# Altium PCB PA_8CH_CTRL.PcbDoc (part 1 of 10) (continued)
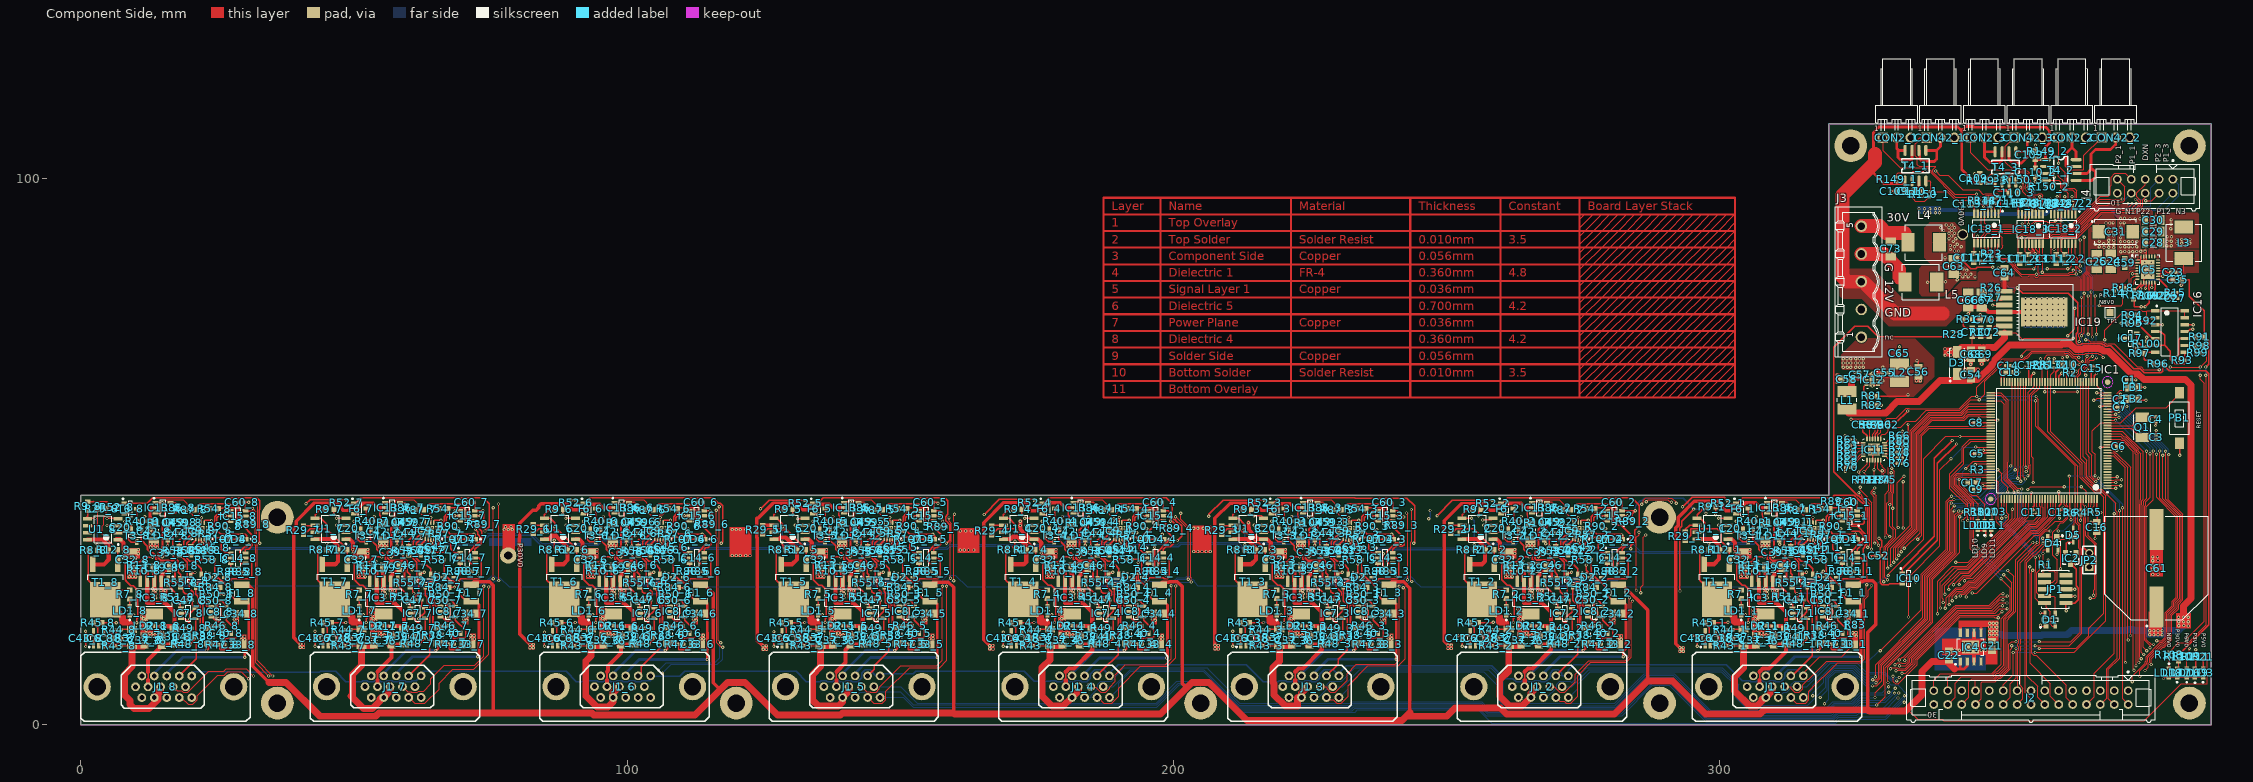
[diagram p0: Component Side view]
## Components (designator, comment, footprint, x,y, rotation, side; value= is the part's Value field where it differs from the comment) (continued)
C37_3 "1uF" CAPC2012X110N 221.684,15.494 r270 top (schematic designator C37)
C37_4 "1uF" CAPC2012X110N 179.684,15.494 r270 top (schematic designator C37)
C37_5 "1uF" CAPC2012X110N 137.684,15.494 r270 top (schematic designator C37)
C37_6 "1uF" CAPC2012X110N 95.684,15.494 r270 top (schematic designator C37)
C37_7 "1uF" CAPC2012X110N 53.684,15.494 r270 top (schematic designator C37)
C37_8 "1uF" CAPC2012X110N 11.684,15.465 r270 top (schematic designator C37)
C38_1 "10nF" CAPC1608X87N 301.604,15.875 r180 top (schematic designator C38)
C38_2 "10nF" CAPC1608X87N 258.604,15.875 r180 top (schematic designator C38)
C38_3 "10nF" CAPC1608X87N 216.604,15.875 r180 top (schematic designator C38)
C38_4 "10nF" CAPC1608X87N 174.604,15.875 r180 top (schematic designator C38)
C38_5 "10nF" CAPC1608X87N 132.604,15.875 r180 top (schematic designator C38)
C38_6 "10nF" CAPC1608X87N 90.604,15.875 r180 top (schematic designator C38)
C38_7 "10nF" CAPC1608X87N 48.604,15.875 r180 top (schematic designator C38)
C38_8 "10nF" CAPC1608X87N 6.604,15.846 r180 top (schematic designator C38)
C39_1 "100nF" CAPC1005X55N 310.723,31.576 r180 top (schematic designator C39)
C39_2 "100nF" CAPC1005X55N 267.723,31.576 r180 top (schematic designator C39)
C39_3 "100nF" CAPC1005X55N 225.723,31.576 r180 top (schematic designator C39)
C39_4 "100nF" CAPC1005X55N 183.723,31.576 r180 top (schematic designator C39)
C39_5 "100nF" CAPC1005X55N 141.723,31.576 r180 top (schematic designator C39)
C39_6 "100nF" CAPC1005X55N 99.723,31.576 r180 top (schematic designator C39)
C39_7 "100nF" CAPC1005X55N 57.723,31.576 r180 top (schematic designator C39)
C39_8 "100nF" CAPC1005X55N 15.723,31.547 r180 top (schematic designator C39)
C40_1 "10nF" CAPC1608X87N 321.568,16.793 r180 top (schematic designator C40)
C40_2 "10nF" CAPC1608X87N 278.568,16.793 r180 top (schematic designator C40)
C40_3 "10nF" CAPC1608X87N 236.568,16.793 r180 top (schematic designator C40)
C40_4 "10nF" CAPC1608X87N 194.568,16.793 r180 top (schematic designator C40)
C40_5 "10nF" CAPC1608X87N 152.568,16.793 r180 top (schematic designator C40)
C40_6 "10nF" CAPC1608X87N 110.568,16.793 r180 top (schematic designator C40)
C40_7 "10nF" CAPC1608X87N 68.568,16.793 r180 top (schematic designator C40)
C40_8 "10nF" CAPC1608X87N 26.568,16.764 r180 top (schematic designator C40)
C41_1 "10nF" CAPC1608X87N 314.935,16.131 r180 top (schematic designator C41)
C41_2 "10nF" CAPC1608X87N 271.935,16.131 r180 top (schematic designator C41)
C41_3 "10nF" CAPC1608X87N 229.935,16.131 r180 top (schematic designator C41)
C41_4 "10nF" CAPC1608X87N 187.935,16.131 r180 top (schematic designator C41)
C41_5 "10nF" CAPC1608X87N 145.935,16.131 r180 top (schematic designator C41)
C41_6 "10nF" CAPC1608X87N 103.935,16.131 r180 top (schematic designator C41)
C41_7 "10nF" CAPC1608X87N 61.935,16.131 r180 top (schematic designator C41)
C41_8 "10nF" CAPC1608X87N 19.935,16.102 r180 top (schematic designator C41)
C42_1 "10uF" CAPC3216X140N 308.41,35.381 r90 top (schematic designator C42)
C42_2 "10uF" CAPC3216X140N 265.41,35.381 r90 top (schematic designator C42)
C42_3 "10uF" CAPC3216X140N 223.41,35.381 r90 top (schematic designator C42)
C42_4 "10uF" CAPC3216X140N 181.41,35.381 r90 top (schematic designator C42)
C42_5 "10uF" CAPC3216X140N 139.41,35.381 r90 top (schematic designator C42)
C42_6 "10uF" CAPC3216X140N 97.41,35.381 r90 top (schematic designator C42)
C42_7 "10uF" CAPC3216X140N 55.41,35.381 r90 top (schematic designator C42)
C42_8 "10uF" CAPC3216X140N 13.41,35.352 r90 top (schematic designator C42)
C43_1 "100nF" CAPC1005X55N 295.889,15.875 r90 top (schematic designator C43)
C43_2 "100nF" CAPC1005X55N 252.889,15.875 r90 top (schematic designator C43)
C43_3 "100nF" CAPC1005X55N 210.889,15.875 r90 top (schematic designator C43)
C43_4 "100nF" CAPC1005X55N 168.889,15.875 r90 top (schematic designator C43)
C43_5 "100nF" CAPC1005X55N 126.889,15.875 r90 top (schematic designator C43)
C43_6 "100nF" CAPC1005X55N 84.889,15.875 r90 top (schematic designator C43)
C43_7 "100nF" CAPC1005X55N 42.889,15.875 r90 top (schematic designator C43)
C43_8 "100nF" CAPC1005X55N 0.889,15.846 r90 top (schematic designator C43)
C44_1 "100nF" CAPC1005X55N 313.44,35.081 r180 top (schematic designator C44)
C44_2 "100nF" CAPC1005X55N 270.44,35.081 r180 top (schematic designator C44)
C44_3 "100nF" CAPC1005X55N 228.44,35.081 r180 top (schematic designator C44)
C44_4 "100nF" CAPC1005X55N 186.44,35.081 r180 top (schematic designator C44)
C44_5 "100nF" CAPC1005X55N 144.44,35.081 r180 top (schematic designator C44)
C44_6 "100nF" CAPC1005X55N 102.44,35.081 r180 top (schematic designator C44)
C44_7 "100nF" CAPC1005X55N 60.44,35.081 r180 top (schematic designator C44)
C44_8 "100nF" CAPC1005X55N 18.44,35.052 r180 top (schematic designator C44)
C45_1 "100nF" CAPC1005X55N 319.13,32.49 r180 top (schematic designator C45)
C45_2 "100nF" CAPC1005X55N 276.13,32.49 r180 top (schematic designator C45)
C45_3 "100nF" CAPC1005X55N 234.13,32.49 r180 top (schematic designator C45)
C45_4 "100nF" CAPC1005X55N 192.13,32.49 r180 top (schematic designator C45)
C45_5 "100nF" CAPC1005X55N 150.13,32.49 r180 top (schematic designator C45)
C45_6 "100nF" CAPC1005X55N 108.13,32.49 r180 top (schematic designator C45)
C45_7 "100nF" CAPC1005X55N 66.13,32.49 r180 top (schematic designator C45)
C45_8 "100nF" CAPC1005X55N 24.13,32.461 r180 top (schematic designator C45)
C46_1 "100nF" CAPC1005X55N 313.436,29.21 r0 top (schematic designator C46)
C46_2 "100nF" CAPC1005X55N 270.383,29.185 r0 top (schematic designator C46)
C46_3 "100nF" CAPC1005X55N 228.448,29.185 r0 top (schematic designator C46)
C46_4 "100nF" CAPC1005X55N 186.461,29.185 r0 top (schematic designator C46)
C46_5 "100nF" CAPC1005X55N 144.45,29.21 r0 top (schematic designator C46)
C46_6 "100nF" CAPC1005X55N 102.438,29.21 r0 top (schematic designator C46)
C46_7 "100nF" CAPC1005X55N 60.427,29.185 r0 top (schematic designator C46)
C46_8 "100nF" CAPC1005X55N 18.39,29.159 r0 top (schematic designator C46)
C47_1 "100nF" CAPC1005X55N 314.939,22.86 r0 top (schematic designator C47)
C47_2 "100nF" CAPC1005X55N 271.939,22.86 r0 top (schematic designator C47)
C47_3 "100nF" CAPC1005X55N 229.939,22.86 r0 top (schematic designator C47)
C47_4 "100nF" CAPC1005X55N 187.939,22.86 r0 top (schematic designator C47)
C47_5 "100nF" CAPC1005X55N 145.939,22.86 r0 top (schematic designator C47)
C47_6 "100nF" CAPC1005X55N 103.939,22.86 r0 top (schematic designator C47)
C47_7 "100nF" CAPC1005X55N 61.939,22.86 r0 top (schematic designator C47)
C47_8 "100nF" CAPC1005X55N 19.939,22.831 r0 top (schematic designator C47)
C48_1 "Undefined" CAPC1005X55N 316.488,32.008 r90 top (schematic designator C48)
C48_2 "Undefined" CAPC1005X55N 273.488,32.008 r90 top (schematic designator C48)
C48_3 "Undefined" CAPC1005X55N 231.488,32.008 r90 top (schematic designator C48)
C48_4 "Undefined" CAPC1005X55N 189.488,32.008 r90 top (schematic designator C48)
C48_5 "Undefined" CAPC1005X55N 147.488,32.008 r90 top (schematic designator C48)
C48_6 "Undefined" CAPC1005X55N 105.488,32.008 r90 top (schematic designator C48)
C48_7 "Undefined" CAPC1005X55N 63.488,32.008 r90 top (schematic designator C48)
C48_8 "Undefined" CAPC1005X55N 21.488,31.979 r90 top (schematic designator C48)
C49_1 "100nF" CAPC1005X55N 313.11,37.138 r90 top (schematic designator C49)
C49_2 "100nF" CAPC1005X55N 270.11,37.138 r90 top (schematic designator C49)
C49_3 "100nF" CAPC1005X55N 228.11,37.138 r90 top (schematic designator C49)
C49_4 "100nF" CAPC1005X55N 186.11,37.138 r90 top (schematic designator C49)
C49_5 "100nF" CAPC1005X55N 144.11,37.138 r90 top (schematic designator C49)
C49_6 "100nF" CAPC1005X55N 102.11,37.138 r90 top (schematic designator C49)
C49_7 "100nF" CAPC1005X55N 60.11,37.138 r90 top (schematic designator C49)
C49_8 "100nF" CAPC1005X55N 18.11,37.109 r90 top (schematic designator C49)
C50_1 "100nF" CAPC1005X55N 319.659,22.809 r180 top (schematic designator C50)
C50_2 "100nF" CAPC1005X55N 276.708,22.936 r180 top (schematic designator C50)
C50_3 "100nF" CAPC1005X55N 234.671,22.835 r180 top (schematic designator C50)
C50_4 "100nF" CAPC1005X55N 192.659,22.835 r180 top (schematic designator C50)
C50_5 "100nF" CAPC1005X55N 150.647,22.86 r180 top (schematic designator C50)
C50_6 "100nF" CAPC1005X55N 108.661,22.809 r180 top (schematic designator C50)
C50_7 "100nF" CAPC1005X55N 66.65,22.835 r180 top (schematic designator C50)
C50_8 "100nF" CAPC1005X55N 24.663,22.758 r180 top (schematic designator C50)
C51_1 "100nF" CAPC1005X55N 317.53,32.033 r270 top (schematic designator C51)
C51_2 "100nF" CAPC1005X55N 274.53,32.033 r270 top (schematic designator C51)
C51_3 "100nF" CAPC1005X55N 232.53,32.033 r270 top (schematic designator C51)
C51_4 "100nF" CAPC1005X55N 190.53,32.033 r270 top (schematic designator C51)
C51_5 "100nF" CAPC1005X55N 148.53,32.033 r270 top (schematic designator C51)
C51_6 "100nF" CAPC1005X55N 106.53,32.033 r270 top (schematic designator C51)
C51_7 "100nF" CAPC1005X55N 64.53,32.033 r270 top (schematic designator C51)
C51_8 "100nF" CAPC1005X55N 22.53,32.004 r270 top (schematic designator C51)
C52 "100nF" CAPC1005X55N 329.108,30.937 r180 top
C53 "100nF" CAPC1005X55N 326.241,54.903 r90 top
C54 "22uF" CAPC2012X135N 346.025,64.1 r90 top
C55 "100nF" CAPC1005X55N 330.225,64.465 r180 top
C56 "22uF" CAPC2012X135N 336.398,64.668 r90 top
C57 "100nF" CAPC1005X55N 325.628,64.059 r270 top
C58 "22uF" CAPC2012X135N 323.266,63.246 r0 top
C59 "100nF" CAPC1608X87N 374.125,84.575 r90 top
C60_1 "100nF" CAPC1005X55N 324.498,40.759 r0 top (schematic designator C60)
C60_2 "100nF" CAPC1005X55N 281.498,40.759 r0 top (schematic designator C60)
C60_3 "100nF" CAPC1005X55N 239.498,40.759 r0 top (schematic designator C60)
C60_4 "100nF" CAPC1005X55N 197.498,40.759 r0 top (schematic designator C60)
C60_5 "100nF" CAPC1005X55N 155.498,40.759 r0 top (schematic designator C60)
C60_6 "100nF" CAPC1005X55N 113.498,40.759 r0 top (schematic designator C60)
C60_7 "100nF" CAPC1005X55N 71.498,40.759 r0 top (schematic designator C60)
C60_8 "100nF" CAPC1005X55N 29.498,40.73 r0 top (schematic designator C60)
C61 "4700uF" CAPAE1900X1680N 379.975,28.7 r90 top
C62 "1nF" CAPC1005X55N 379.777,78.578 r90 top
C63 "10uF" CAPC3216X190N 342.875,83.925 r90 top
C64 "22uF" CAPC2012X135N 352.15,82.75 r270 top
C65 "100nF" CAPC1005X55N 332.918,67.996 r90 top
C66 "10uF" CAPC3216X190N 345.5,77.75 r90 top
C67 "10uF" CAPC3216X190N 348,77.75 r90 top
C68 "22uF" CAPC2012X135N 346.025,67.825 r90 top
C69 "22uF" CAPC2012X135N 348,67.85 r90 top
C70 "10nF" CAPC1608X87N 348.525,74.195 r0 top
C71 "10nF" CAPC1608X87N 346.275,71.87 r270 top
C72 "10nF" CAPC1608X87N 349.325,71.895 r270 top
C73 "10uF" CAPC3216X190N 331.325,87.125 r90 top
C109_1 "1uF" CAPC1608X87N 333.075,97.7 r0 top (schematic designator C109)
C109_2 "1uF" CAPC1608X87N 357.8,104.35 r270 top (schematic designator C109)
C109_3 "1uF" CAPC1608X87N 347.65,100.1 r270 top (schematic designator C109)
C110_1 "1uF" CAPC1608X87N 336.275,97.725 r180 top (schematic designator C110)
C110_2 "1uF" CAPC1608X87N 357.825,101.15 r90 top (schematic designator C110)
C110_3 "1uF" CAPC1608X87N 353.825,97.375 r180 top (schematic designator C110)
C111_1 "1nF" CAPC1608X87N 346.5,85.475 r90 top (schematic designator C111)
C111_2 "1nF" CAPC1608X87N 361.625,85.3 r270 top (schematic designator C111)
C111_3 "1nF" CAPC1608X87N 354.975,85.3 r90 top (schematic designator C111)
C112_1 "1nF" CAPC1608X87N 348,85.475 r270 top (schematic designator C112)
C112_2 "1nF" CAPC1608X87N 363.15,85.3 r90 top (schematic designator C112)
C112_3 "1nF" CAPC1608X87N 356.5,85.3 r270 top (schematic designator C112)
C113_1 "100nF" CAPC0603X33N 346.4,95.375 r270 top (schematic designator C113)
C113_2 "100nF" CAPC0603X33N 360.575,95.3 r270 top (schematic designator C113)
C113_3 "100nF" CAPC0603X33N 354.525,95.35 r270 top (schematic designator C113)
CON2_1 "WF03R (any color) Maritex" MOLEX_22-05-7038 332.425,107.495 r0 top (schematic designator CON2)
CON2_2 "WF03R (any color) Maritex" MOLEX_22-05-7038 364.525,107.52 r0 top (schematic designator CON2)
CON2_3 "WF03R (any color) Maritex" MOLEX_22-05-7038 348.5,107.52 r0 top (schematic designator CON2)
CON42_1 "WF03R (any color) Maritex" MOLEX_22-05-7038 340.425,107.495 r0 top (schematic designator CON42)
CON42_2 "WF03R (any color) Maritex" MOLEX_22-05-7038 372.525,107.52 r0 top (schematic designator CON42)
CON42_3 "WF03R (any color) Maritex" MOLEX_22-05-7038 356.5,107.52 r0 top (schematic designator CON42)
D1 "PRTR5V0U2X" SOT190P230X110-4N 360.5,19.25 r90 top
D2_1 "BAT165" SOD2512X110N 320.048,27.009 r0 top (schematic designator D2)
D2_2 "BAT165" SOD2512X110N 277.048,27.009 r0 top (schematic designator D2)
D2_3 "BAT165" SOD2512X110N 235.048,27.009 r0 top (schematic designator D2)
D2_4 "BAT165" SOD2512X110N 193.048,27.009 r0 top (schematic designator D2)
D2_5 "BAT165" SOD2512X110N 151.048,27.009 r0 top (schematic designator D2)
D2_6 "BAT165" SOD2512X110N 109.048,27.009 r0 top (schematic designator D2)
D2_7 "BAT165" SOD2512X110N 67.048,27.009 r0 top (schematic designator D2)
D2_8 "BAT165" SOD2512X110N 25.048,26.98 r0 top (schematic designator D2)
D3 "SS16" DIOM5127X229N 343.5,66.25 r90 top
D4 "PRTR5V0U2X" SOT190P230X110-4N 361,33.25 r270 top
D5 "BAT165" SOD2512X110N 364.75,34.75 r90 top
F1_1 "50mA-30V" FUSRC3226X85N 324.464,24.159 r270 top (schematic designator F1)
F1_2 "50mA-30V" FUSRC3226X85N 281.464,24.159 r270 top (schematic designator F1)
F1_3 "50mA-30V" FUSRC3226X85N 239.464,24.159 r270 top (schematic designator F1)
F1_4 "50mA-30V" FUSRC3226X85N 197.464,24.159 r270 top (schematic designator F1)
F1_5 "50mA-30V" FUSRC3226X85N 155.464,24.159 r270 top (schematic designator F1)
F1_6 "50mA-30V" FUSRC3226X85N 113.464,24.159 r270 top (schematic designator F1)
F1_7 "50mA-30V" FUSRC3226X85N 71.464,24.159 r270 top (schematic designator F1)
F1_8 "50mA-30V" FUSRC3226X85N 29.464,24.13 r270 top (schematic designator F1)
FB1 "220R@100MHz" INDC2012X105N 375.717,61.773 r0 top
FB2 "220R@100MHz" INDC2012X105N 375.742,59.69 r0 top
IC1 "STM32F407ZGT6" QFP50P2200X2200X160-144N 360.324,52.045 r180 top
IC2 "STM809SWX6F" SOT-23 365.227,31.547 r180 top
IC3_1 "TL1963ADCQR" SOT127P700X180-6N 308.46,23.306 r270 top (schematic designator IC3)
IC3_2 "TL1963ADCQR" SOT127P700X180-6N 265.46,23.306 r270 top (schematic designator IC3)
IC3_3 "TL1963ADCQR" SOT127P700X180-6N 223.46,23.306 r270 top (schematic designator IC3)
IC3_4 "TL1963ADCQR" SOT127P700X180-6N 181.46,23.306 r270 top (schematic designator IC3)
IC3_5 "TL1963ADCQR" SOT127P700X180-6N 139.46,23.306 r270 top (schematic designator IC3)
IC3_6 "TL1963ADCQR" SOT127P700X180-6N 97.46,23.306 r270 top (schematic designator IC3)
IC3_7 "TL1963ADCQR" SOT127P700X180-6N 55.46,23.306 r270 top (schematic designator IC3)
IC3_8 "TL1963ADCQR" SOT127P700X180-6N 13.46,23.277 r270 top (schematic designator IC3)
IC4 "ADP7102ARDZ-5.0-R7" SOIC127P600X175-9N-R241X309 345.948,14.249 r90 top
IC5 "LTC7149EUFD#PBF" QFN50P400X500X80_HS-29N 378.38,83.353 r0 top
IC6_1 "INA194AIDBVT" SOT95P280X145-5N 298.302,15.875 r90 top (schematic designator IC6)
IC6_2 "INA194AIDBVT" SOT95P280X145-5N 255.302,15.875 r90 top (schematic designator IC6)
IC6_3 "INA194AIDBVT" SOT95P280X145-5N 213.302,15.875 r90 top (schematic designator IC6)
IC6_4 "INA194AIDBVT" SOT95P280X145-5N 171.302,15.875 r90 top (schematic designator IC6)
IC6_5 "INA194AIDBVT" SOT95P280X145-5N 129.302,15.875 r90 top (schematic designator IC6)
IC6_6 "INA194AIDBVT" SOT95P280X145-5N 87.302,15.875 r90 top (schematic designator IC6)
IC6_7 "INA194AIDBVT" SOT95P280X145-5N 45.302,15.875 r90 top (schematic designator IC6)
IC6_8 "INA194AIDBVT" SOT95P280X145-5N 3.302,15.846 r90 top (schematic designator IC6)
IC7_1 "INA194AIDBVT" SOT95P280X145-5N 314.685,20.447 r0 top (schematic designator IC7)
IC7_2 "INA194AIDBVT" SOT95P280X145-5N 271.685,20.447 r0 top (schematic designator IC7)
IC7_3 "INA194AIDBVT" SOT95P280X145-5N 229.685,20.447 r0 top (schematic designator IC7)
IC7_4 "INA194AIDBVT" SOT95P280X145-5N 187.685,20.447 r0 top (schematic designator IC7)
IC7_5 "INA194AIDBVT" SOT95P280X145-5N 145.685,20.447 r0 top (schematic designator IC7)
IC7_6 "INA194AIDBVT" SOT95P280X145-5N 103.685,20.447 r0 top (schematic designator IC7)
IC7_7 "INA194AIDBVT" SOT95P280X145-5N 61.685,20.447 r0 top (schematic designator IC7)
IC7_8 "INA194AIDBVT" SOT95P280X145-5N 19.685,20.418 r0 top (schematic designator IC7)
IC8_1 "INA194AIDBVT" SOT95P280X145-5N 320.197,20.755 r0 top (schematic designator IC8)
IC8_2 "INA194AIDBVT" SOT95P280X145-5N 277.197,20.755 r0 top (schematic designator IC8)
IC8_3 "INA194AIDBVT" SOT95P280X145-5N 235.197,20.755 r0 top (schematic designator IC8)
IC8_4 "INA194AIDBVT" SOT95P280X145-5N 193.197,20.755 r0 top (schematic designator IC8)
IC8_5 "INA194AIDBVT" SOT95P280X145-5N 151.197,20.755 r0 top (schematic designator IC8)
IC8_6 "INA194AIDBVT" SOT95P280X145-5N 109.197,20.755 r0 top (schematic designator IC8)
IC8_7 "INA194AIDBVT" SOT95P280X145-5N 67.197,20.755 r0 top (schematic designator IC8)
IC8_8 "INA194AIDBVT" SOT95P280X145-5N 25.197,20.726 r0 top (schematic designator IC8)
IC9_1 "ADS7924IRTET" TI-RTE16-1700X1700TP_V 316.844,35.56 r180 top (schematic designator IC9)
IC9_2 "ADS7924IRTET" TI-RTE16-1700X1700TP_V 273.844,35.56 r180 top (schematic designator IC9)
IC9_3 "ADS7924IRTET" TI-RTE16-1700X1700TP_V 231.844,35.56 r180 top (schematic designator IC9)
IC9_4 "ADS7924IRTET" TI-RTE16-1700X1700TP_V 189.844,35.56 r180 top (schematic designator IC9)
IC9_5 "ADS7924IRTET" TI-RTE16-1700X1700TP_V 147.844,35.56 r180 top (schematic designator IC9)
IC9_6 "ADS7924IRTET" TI-RTE16-1700X1700TP_V 105.844,35.56 r180 top (schematic designator IC9)
IC9_7 "ADS7924IRTET" TI-RTE16-1700X1700TP_V 63.844,35.56 r180 top (schematic designator IC9)
IC9_8 "ADS7924IRTET" TI-RTE16-1700X1700TP_V 21.844,35.531 r180 top (schematic designator IC9)
IC10 "MCP1525T-I/TT" SOT95P251X112-3N 334.62,26.822 r0 top
IC11 "TCA9548ARGER" QFN50P400X400X100-25N-S220 328.241,50.403 r0 top
IC12 "TPS62175DQC" SON50P200X300X80-11N-R94X250 327.944,63.205 r0 top
IC13_1 "LT1964ES5-SD#TRMPBF" SOT95P280X100-5N 310.048,39.759 r0 top (schematic designator IC13)
IC13_2 "LT1964ES5-SD#TRMPBF" SOT95P280X100-5N 267.048,39.759 r0 top (schematic designator IC13)
IC13_3 "LT1964ES5-SD#TRMPBF" SOT95P280X100-5N 225.048,39.759 r0 top (schematic designator IC13)
IC13_4 "LT1964ES5-SD#TRMPBF" SOT95P280X100-5N 183.048,39.759 r0 top (schematic designator IC13)
IC13_5 "LT1964ES5-SD#TRMPBF" SOT95P280X100-5N 141.048,39.759 r0 top (schematic designator IC13)
IC13_6 "LT1964ES5-SD#TRMPBF" SOT95P280X100-5N 99.048,39.759 r0 top (schematic designator IC13)
IC13_7 "LT1964ES5-SD#TRMPBF" SOT95P280X100-5N 57.048,39.759 r0 top (schematic designator IC13)
IC13_8 "LT1964ES5-SD#TRMPBF" SOT95P280X100-5N 15.048,39.73 r0 top (schematic designator IC13)
IC14_1 "LM3880-1AC/NOPB" SOT95P280X145-6N 323.804,30.56 r0 top (schematic designator IC14)
IC14_2 "LM3880-1AC/NOPB" SOT95P280X145-6N 280.804,30.56 r0 top (schematic designator IC14)
IC14_3 "LM3880-1AC/NOPB" SOT95P280X145-6N 238.804,30.56 r0 top (schematic designator IC14)
IC14_4 "LM3880-1AC/NOPB" SOT95P280X145-6N 196.804,30.56 r0 top (schematic designator IC14)
IC14_5 "LM3880-1AC/NOPB" SOT95P280X145-6N 154.804,30.56 r0 top (schematic designator IC14)
IC14_6 "LM3880-1AC/NOPB" SOT95P280X145-6N 112.804,30.56 r0 top (schematic designator IC14)
IC14_7 "LM3880-1AC/NOPB" SOT95P280X145-6N 70.804,30.56 r0 top (schematic designator IC14)
IC14_8 "LM3880-1AC/NOPB" SOT95P280X145-6N 28.804,30.531 r0 top (schematic designator IC14)
IC15_1 "DAC7571DBV" SOT95P280X145-6N 323.798,38.259 r180 top (schematic designator IC15)
IC15_2 "DAC7571DBV" SOT95P280X145-6N 280.798,38.259 r180 top (schematic designator IC15)
IC15_3 "DAC7571DBV" SOT95P280X145-6N 238.798,38.259 r180 top (schematic designator IC15)
IC15_4 "DAC7571DBV" SOT95P280X145-6N 196.798,38.259 r180 top (schematic designator IC15)
IC15_5 "DAC7571DBV" SOT95P280X145-6N 154.798,38.259 r180 top (schematic designator IC15)
IC15_6 "DAC7571DBV" SOT95P280X145-6N 112.798,38.259 r180 top (schematic designator IC15)
IC15_7 "DAC7571DBV" SOT95P280X145-6N 70.798,38.259 r180 top (schematic designator IC15)
IC15_8 "DAC7571DBV" SOT95P280X145-6N 28.798,38.23 r180 top (schematic designator IC15)
IC16 "LP339M/NOPB" SOIC127P600X175-14N 382.424,72 r0 top
IC17 "TS3431ILT" SOT95P237X112-3N 375.2,70.75 r180 top
IC18_1 "MAX6639AEE+" SOP63P600X175-16N 348.825,90.85 r270 top (schematic designator IC18)
IC18_2 "MAX6639AEE+" SOP63P600X175-16N 362.9,90.8 r270 top (schematic designator IC18)
IC18_3 "MAX6639AEE+" SOP63P600X175-16N 356.925,90.75 r270 top (schematic designator IC18)
IC19 "LMZ14203HTZX/NOPB" "TEXAS_TO-PMOD (NDW)" 357.825,75.57 r0 top
J1_1 "HD-Sub" TYCO_1932144-1 310.5,7 r0 top locked (schematic designator J1)
J1_2 "HD-Sub" TYCO_1932144-1 267.5,7 r0 top (schematic designator J1)
J1_3 "HD-Sub" TYCO_1932144-1 225.5,7 r0 top (schematic designator J1)
J1_4 "HD-Sub" TYCO_1932144-1 183.5,7 r0 top (schematic designator J1)
J1_5 "HD-Sub" TYCO_1932144-1 141.5,7 r0 top (schematic designator J1)
J1_6 "HD-Sub" TYCO_1932144-1 99.5,7 r0 top (schematic designator J1)
J1_7 "HD-Sub" TYCO_1932144-1 57.5,7 r0 top (schematic designator J1)
J1_8 "HD-Sub" TYCO_1932144-1 15.5,6.971 r0 top (schematic designator J1)
J2 "Familly" 3M_N2530-6002RB 357,5 r180 top
J3 "Family" PHOENIX_1755765 325.958,81.128 r90 top
J4 "Header 10" 3M_N2510-6003RB 377.9,98.6 r180 top
JP1 "PLHTD10S-TR-CV" PLHTD10S-TR-CV 361.442,28.016 r90 top
JP2 "1798942 (goldpin 2x 2.54)" jump 367.665,28.905 r180 top
L1 "10uH" IND_MURATA-PS_8400 323.342,59.461 r90 top
L2 "10uH" IND_MURATA-PS_8400 332.944,64.455 r90 top
L3 "6.8uH" INDM6965X300N 385,88.25 r90 top
L4 "6.8uH" INDM6965X300N 337.375,88.325 r0 top
L5 "6.8uH" INDM6965X300N 336.85,81.075 r0 top
LD1_1 "Green" LED_KINGBRIGHT_KPH-1608CGCK 303.96,20.906 r90 top (schematic designator LD1)
LD1_2 "Green" LED_KINGBRIGHT_KPH-1608CGCK 260.96,20.906 r90 top (schematic designator LD1)
LD1_3 "Green" LED_KINGBRIGHT_KPH-1608CGCK 218.96,20.906 r90 top (schematic designator LD1)
LD1_4 "Green" LED_KINGBRIGHT_KPH-1608CGCK 176.96,20.906 r90 top (schematic designator LD1)
LD1_5 "Green" LED_KINGBRIGHT_KPH-1608CGCK 134.96,20.906 r90 top (schematic designator LD1)
LD1_6 "Green" LED_KINGBRIGHT_KPH-1608CGCK 92.96,20.906 r90 top (schematic designator LD1)
LD1_7 "Green" LED_KINGBRIGHT_KPH-1608CGCK 50.96,20.906 r90 top (schematic designator LD1)
LD1_8 "Green" LED_KINGBRIGHT_KPH-1608CGCK 8.96,20.877 r90 top (schematic designator LD1)
LD2_1 "Green" LED_KINGBRIGHT_KPH-1608CGCK 307.7,18.19 r0 top (schematic designator LD2)
LD2_2 "Green" LED_KINGBRIGHT_KPH-1608CGCK 264.7,18.19 r0 top (schematic designator LD2)
LD2_3 "Green" LED_KINGBRIGHT_KPH-1608CGCK 222.7,18.19 r0 top (schematic designator LD2)
LD2_4 "Green" LED_KINGBRIGHT_KPH-1608CGCK 180.7,18.19 r0 top (schematic designator LD2)
LD2_5 "Green" LED_KINGBRIGHT_KPH-1608CGCK 138.7,18.19 r0 top (schematic designator LD2)
LD2_6 "Green" LED_KINGBRIGHT_KPH-1608CGCK 96.7,18.19 r0 top (schematic designator LD2)
LD2_7 "Green" LED_KINGBRIGHT_KPH-1608CGCK 54.7,18.19 r0 top (schematic designator LD2)
LD2_8 "Green" LED_KINGBRIGHT_KPH-1608CGCK 12.7,18.161 r0 top (schematic designator LD2)
LD3 "Green" LED_KINGBRIGHT_KPH-1608CGCK 388.5,9.5 r90 top
LD4_1 "Hyper Red" LED_KINGBRIGHT_KPH-1608SURCK 324.5,34 r180 top (schematic designator LD4)
LD4_2 "Hyper Red" LED_KINGBRIGHT_KPH-1608SURCK 281.5,34 r180 top (schematic designator LD4)
LD4_3 "Hyper Red" LED_KINGBRIGHT_KPH-1608SURCK 239.5,34 r180 top (schematic designator LD4)
LD4_4 "Hyper Red" LED_KINGBRIGHT_KPH-1608SURCK 197.5,34 r180 top (schematic designator LD4)
LD4_5 "Hyper Red" LED_KINGBRIGHT_KPH-1608SURCK 155.5,34 r180 top (schematic designator LD4)
LD4_6 "Hyper Red" LED_KINGBRIGHT_KPH-1608SURCK 113.5,34 r180 top (schematic designator LD4)
LD4_7 "Hyper Red" LED_KINGBRIGHT_KPH-1608SURCK 71.5,34 r180 top (schematic designator LD4)
LD4_8 "Hyper Red" LED_KINGBRIGHT_KPH-1608SURCK 29.5,34 r180 top (schematic designator LD4)
LD9 "Green" LED_OSRAM_LGL29K 348.5,36.5 r90 top
LD10 "Green" LED_OSRAM_LGL29K 347.25,36.5 r90 top
LD11 "Green" LED_OSRAM_LGL29K 349.75,36.5 r90 top
LD12_1 "Green" LED_KINGBRIGHT_KPH-1608CGCK 310.9,34.624 r270 top (schematic designator LD12)
LD12_2 "Green" LED_KINGBRIGHT_KPH-1608CGCK 267.9,34.624 r270 top (schematic designator LD12)
LD12_3 "Green" LED_KINGBRIGHT_KPH-1608CGCK 225.9,34.624 r270 top (schematic designator LD12)
LD12_4 "Green" LED_KINGBRIGHT_KPH-1608CGCK 183.9,34.624 r270 top (schematic designator LD12)
LD12_5 "Green" LED_KINGBRIGHT_KPH-1608CGCK 141.9,34.624 r270 top (schematic designator LD12)
LD12_6 "Green" LED_KINGBRIGHT_KPH-1608CGCK 99.9,34.624 r270 top (schematic designator LD12)
LD12_7 "Green" LED_KINGBRIGHT_KPH-1608CGCK 57.9,34.624 r270 top (schematic designator LD12)
LD12_8 "Green" LED_KINGBRIGHT_KPH-1608CGCK 15.9,34.595 r270 top (schematic designator LD12)
LD16 "Green" LED_KINGBRIGHT_KPH-1608CGCK 385.5,9.5 r90 top
LD17 "Green" LED_KINGBRIGHT_KPH-1608CGCK 383.75,9.5 r90 top
LD18 "Green" LED_KINGBRIGHT_KPH-1608CGCK 382.25,9.5 r270 top
LD19 "Green" LED_OSRAM_LGL29K 387,9.5 r90 top
PB1 "Push Button" PB_TYCO_FSMSM 384.175,56.185 r270 top
Q1 "8MHz" XTAL_TXC_7A 377.368,54.458 r90 top
R1 "10k" RESC1005X40N 359.664,29.312 r180 top
R2 "10k" RESC1005X40N 364.185,64.465 r180 top
R3 "10k" RESC1005X40N 347.218,46.66 r180 top
R4 "10k" RESC1005X40N 366.09,38.862 r270 top
R5 "49R9" RESC1005X40N 368.681,38.964 r180 top
R6 "10k" RESC1005X40N 364.312,38.862 r90 top
R7_1 "56k" RESC1608X55N 303.96,23.906 r90 top (schematic designator R7)
R7_2 "56k" RESC1608X55N 260.96,23.906 r90 top (schematic designator R7)
R7_3 "56k" RESC1608X55N 218.96,23.906 r90 top (schematic designator R7)
R7_4 "56k" RESC1608X55N 176.96,23.906 r90 top (schematic designator R7)
R7_5 "56k" RESC1608X55N 134.96,23.906 r90 top (schematic designator R7)
R7_6 "56k" RESC1608X55N 92.96,23.906 r90 top (schematic designator R7)
R7_7 "56k" RESC1608X55N 50.96,23.906 r90 top (schematic designator R7)
R7_8 "56k" RESC1608X55N 8.96,23.877 r90 top (schematic designator R7)
R8_1 "16k" RESC1608X55N 297.286,32.033 r180 top (schematic designator R8)
R8_2 "16k" RESC1608X55N 254.286,32.033 r180 top (schematic designator R8)
R8_3 "16k" RESC1608X55N 212.286,32.033 r180 top (schematic designator R8)
R8_4 "16k" RESC1608X55N 170.286,32.033 r180 top (schematic designator R8)
R8_5 "16k" RESC1608X55N 128.286,32.033 r180 top (schematic designator R8)
R8_6 "16k" RESC1608X55N 86.286,32.033 r180 top (schematic designator R8)
R8_7 "16k" RESC1608X55N 44.286,32.033 r180 top (schematic designator R8)
R8_8 "16k" RESC1608X55N 2.286,32.004 r180 top (schematic designator R8)
R9_1 "1k5" RESC1608X55N 298.526,39.903 r180 top (schematic designator R9)
R9_2 "1k5" RESC1608X55N 255.535,39.481 r180 top (schematic designator R9)
R9_3 "1k5" RESC1608X55N 213.535,39.481 r180 top (schematic designator R9)
R9_4 "1k5" RESC1608X55N 171.535,39.481 r180 top (schematic designator R9)
R9_5 "1k5" RESC1608X55N 129.535,39.481 r180 top (schematic designator R9)
R9_6 "1k5" RESC1608X55N 87.535,39.481 r180 top (schematic designator R9)
R9_7 "1k5" RESC1608X55N 45.535,39.481 r180 top (schematic designator R9)
R9_8 "1k5" RESC1608X55N 1.3,40.05 r270 top (schematic designator R9)
R10_1 "12k" RESC1005X40N 306.535,28.206 r0 top (schematic designator R10)
R10_2 "12k" RESC1005X40N 263.535,28.206 r0 top (schematic designator R10)
R10_3 "12k" RESC1005X40N 221.535,28.206 r0 top (schematic designator R10)
R10_4 "12k" RESC1005X40N 179.535,28.206 r0 top (schematic designator R10)
R10_5 "12k" RESC1005X40N 137.535,28.206 r0 top (schematic designator R10)
R10_6 "12k" RESC1005X40N 95.535,28.206 r0 top (schematic designator R10)
R10_7 "12k" RESC1005X40N 53.535,28.206 r0 top (schematic designator R10)
R10_8 "12k" RESC1005X40N 11.535,28.177 r0 top (schematic designator R10)
R11_1 "10k" RESC1005X40N 310.06,18.081 r180 top (schematic designator R11)
R11_2 "10k" RESC1005X40N 267.06,18.081 r180 top (schematic designator R11)
R11_3 "10k" RESC1005X40N 225.06,18.081 r180 top (schematic designator R11)
R11_4 "10k" RESC1005X40N 183.06,18.081 r180 top (schematic designator R11)
R11_5 "10k" RESC1005X40N 141.06,18.081 r180 top (schematic designator R11)
R11_6 "10k" RESC1005X40N 99.06,18.081 r180 top (schematic designator R11)
R11_7 "10k" RESC1005X40N 57.06,18.081 r180 top (schematic designator R11)
R11_8 "10k" RESC1005X40N 15.06,18.052 r180 top (schematic designator R11)
R12_1 "56k" RESC1608X55N 300.918,32.058 r180 top (schematic designator R12)
R12_2 "56k" RESC1608X55N 257.918,32.058 r180 top (schematic designator R12)
R12_3 "56k" RESC1608X55N 215.918,32.058 r180 top (schematic designator R12)
R12_4 "56k" RESC1608X55N 173.918,32.058 r180 top (schematic designator R12)
R12_5 "56k" RESC1608X55N 131.918,32.058 r180 top (schematic designator R12)
R12_6 "56k" RESC1608X55N 89.918,32.058 r180 top (schematic designator R12)
R12_7 "56k" RESC1608X55N 47.918,32.058 r180 top (schematic designator R12)
R12_8 "56k" RESC1608X55N 5.918,32.029 r180 top (schematic designator R12)
R13_1 "3k3" RESC1005X40N 306.51,29.206 r180 top (schematic designator R13)
R13_2 "3k3" RESC1005X40N 263.51,29.206 r180 top (schematic designator R13)
R13_3 "3k3" RESC1005X40N 221.51,29.206 r180 top (schematic designator R13)
R13_4 "3k3" RESC1005X40N 179.51,29.206 r180 top (schematic designator R13)
R13_5 "3k3" RESC1005X40N 137.51,29.206 r180 top (schematic designator R13)
R13_6 "3k3" RESC1005X40N 95.51,29.206 r180 top (schematic designator R13)
R13_7 "3k3" RESC1005X40N 53.51,29.206 r180 top (schematic designator R13)
R13_8 "3k3" RESC1005X40N 11.51,29.177 r180 top (schematic designator R13)
R14 "0" RESC1005X40N 372.25,79 r270 top
R15 "10k" RESC1005X40N 383.4,79.125 r180 top
R16 "1M" RESC1005X40N 377.542,78.578 r90 top
R17 "137k" RESC1608X55N 375.764,78.73 r90 top
R18 "0" RESC1005X40N 373.884,80.051 r0 top
R19 "51k" RESC1005X40N 378.609,78.578 r90 top
R20 "160k" RESC1005X40N 380.742,78.552 r90 top
R21 "10k" RESC1005X40N 388.5,12.5 r270 top
R22 "10k" RESC1005X40N 361.8,95.5 r270 top
R23 "10k" RESC1005X40N 349.8,86.2 r90 top
R24 "10k" RESC1005X40N 356.25,95.575 r270 top
R25 "10k" RESC1005X40N 358.75,65.75 r270 top
R26 "160k" RESC1005X40N 349.75,80.05 r90 top
R27 "51k" RESC1005X40N 349.75,78.2 r90 top
R28 "2k2" RESC1005X40N 342.85,71.525 r270 top
R29_1 "1k5" RESC1608X55N 293.75,34.5 r270 top (schematic designator R29)
R29_2 "1k5" RESC1608X55N 250.825,35.85 r270 top (schematic designator R29)
R29_3 "1k5" RESC1608X55N 208.9,35.65 r270 top (schematic designator R29)
R29_4 "1k5" RESC1608X55N 166.725,35.575 r270 top (schematic designator R29)
R29_5 "1k5" RESC1608X55N 124.825,35.75 r270 top (schematic designator R29)
R29_6 "1k5" RESC1608X55N 82.8,35.85 r270 top (schematic designator R29)
R29_7 "1k5" RESC1608X55N 40.775,35.65 r270 top (schematic designator R29)
R29_8 "1k5" RESC1608X55N 3.85,39.575 r0 top (schematic designator R29)
R30 "33k" RESC1608X55N 347.825,71.845 r270 top
R31 "4k7" RESC1608X55N 345.375,74.225 r180 top
R37_1 "0R02" RESC3216X80N 304.398,16.002 r90 top (schematic designator R37)
R37_2 "0R02" RESC3216X80N 261.398,16.002 r90 top (schematic designator R37)
R37_3 "0R02" RESC3216X80N 219.398,16.002 r90 top (schematic designator R37)
R37_4 "0R02" RESC3216X80N 177.398,16.002 r90 top (schematic designator R37)
R37_5 "0R02" RESC3216X80N 135.398,16.002 r90 top (schematic designator R37)
R37_6 "0R02" RESC3216X80N 93.398,16.002 r90 top (schematic designator R37)
R37_7 "0R02" RESC3216X80N 51.398,16.002 r90 top (schematic designator R37)
R37_8 "0R02" RESC3216X80N 9.398,15.973 r90 top (schematic designator R37)
R38_1 "4R7" RESC3216X65N 318.495,16.383 r270 top (schematic designator R38)
R38_2 "4R7" RESC3216X65N 275.495,16.383 r270 top (schematic designator R38)
R38_3 "4R7" RESC3216X65N 233.495,16.383 r270 top (schematic designator R38)
R38_4 "4R7" RESC3216X65N 191.495,16.383 r270 top (schematic designator R38)
R38_5 "4R7" RESC3216X65N 149.495,16.383 r270 top (schematic designator R38)
R38_6 "4R7" RESC3216X65N 107.495,16.383 r270 top (schematic designator R38)
R38_7 "4R7" RESC3216X65N 65.495,16.383 r270 top (schematic designator R38)
R38_8 "4R7" RESC3216X65N 23.495,16.354 r270 top (schematic designator R38)
R39_1 "0R1" RESC3216X65N 312.16,16.181 r90 top (schematic designator R39)
R39_2 "0R1" RESC3216X65N 269.16,16.181 r90 top (schematic designator R39)
R39_3 "0R1" RESC3216X65N 227.16,16.181 r90 top (schematic designator R39)
R39_4 "0R1" RESC3216X65N 185.16,16.181 r90 top (schematic designator R39)
R39_5 "0R1" RESC3216X65N 143.16,16.181 r90 top (schematic designator R39)
R39_6 "0R1" RESC3216X65N 101.16,16.181 r90 top (schematic designator R39)
R39_7 "0R1" RESC3216X65N 59.16,16.181 r90 top (schematic designator R39)
R39_8 "0R1" RESC3216X65N 17.16,16.152 r90 top (schematic designator R39)
R40_1 "10k" RESC1005X40N 306.235,37.281 r0 top (schematic designator R40)
R40_2 "10k" RESC1005X40N 263.235,37.281 r0 top (schematic designator R40)
R40_3 "10k" RESC1005X40N 221.235,37.281 r0 top (schematic designator R40)
R40_4 "10k" RESC1005X40N 179.235,37.281 r0 top (schematic designator R40)